# Altium PCB CAMA001AA-PCB.PcbDoc
Units mm, origin at the board's own origin, x right, y up, seen from the top; angles counter-clockwise.
Board outline 60 x 30 mm, 4 copper layers (Top Layer, GND, VCC, Bottom Layer), stack 1.546 mm thick; 50 components, 37 nets, 189 pads, 70 vias.
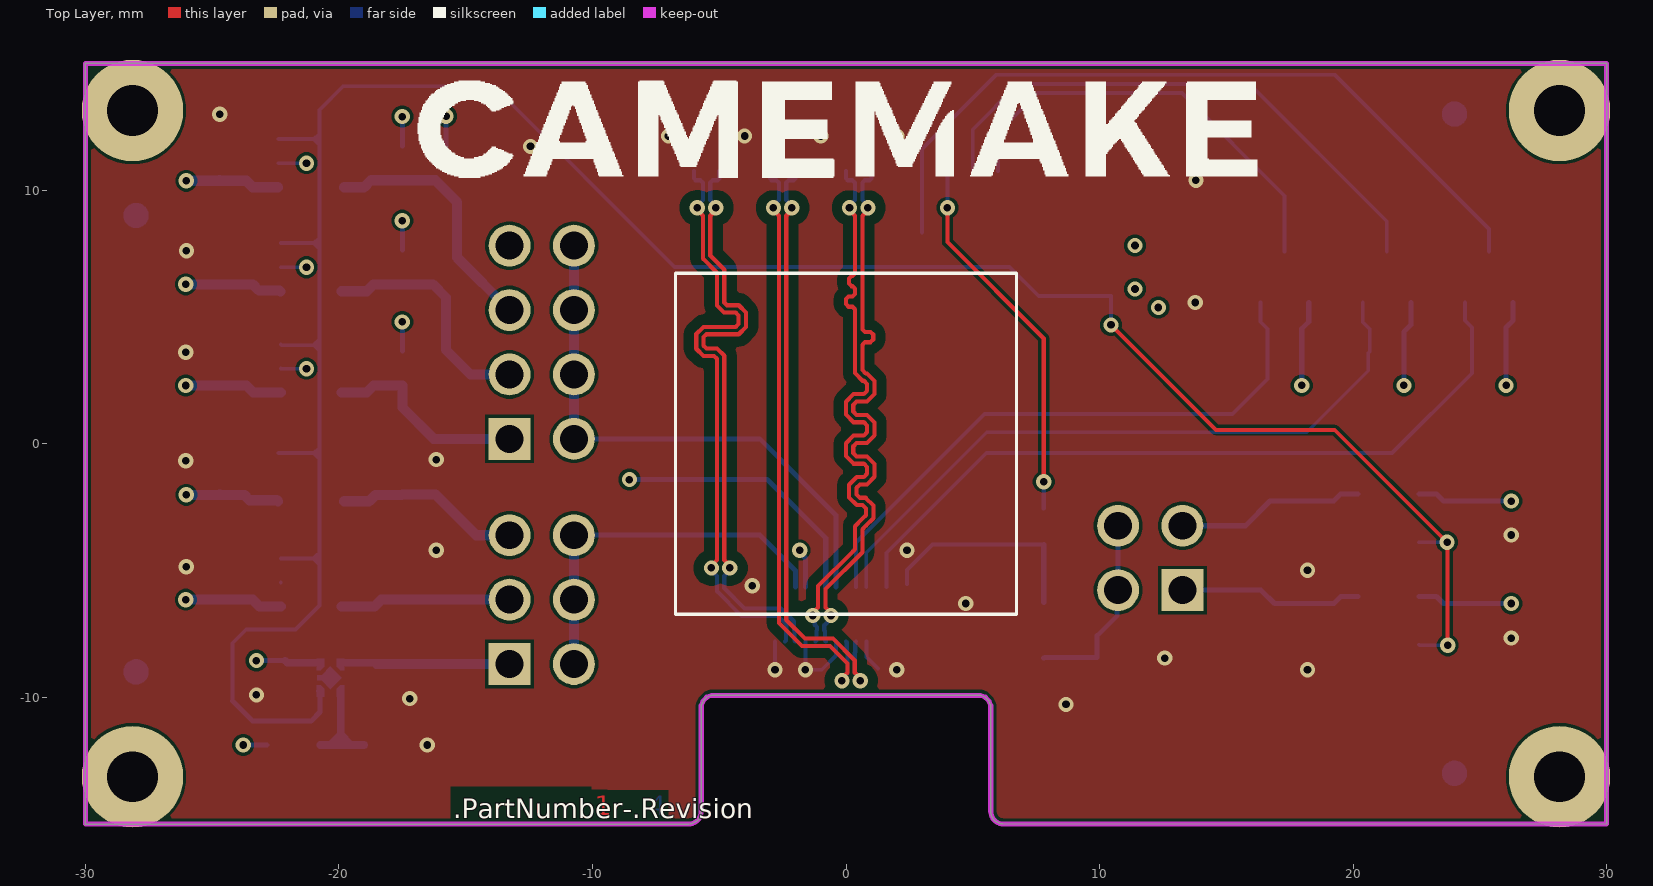
[diagram p0: Top Layer view]
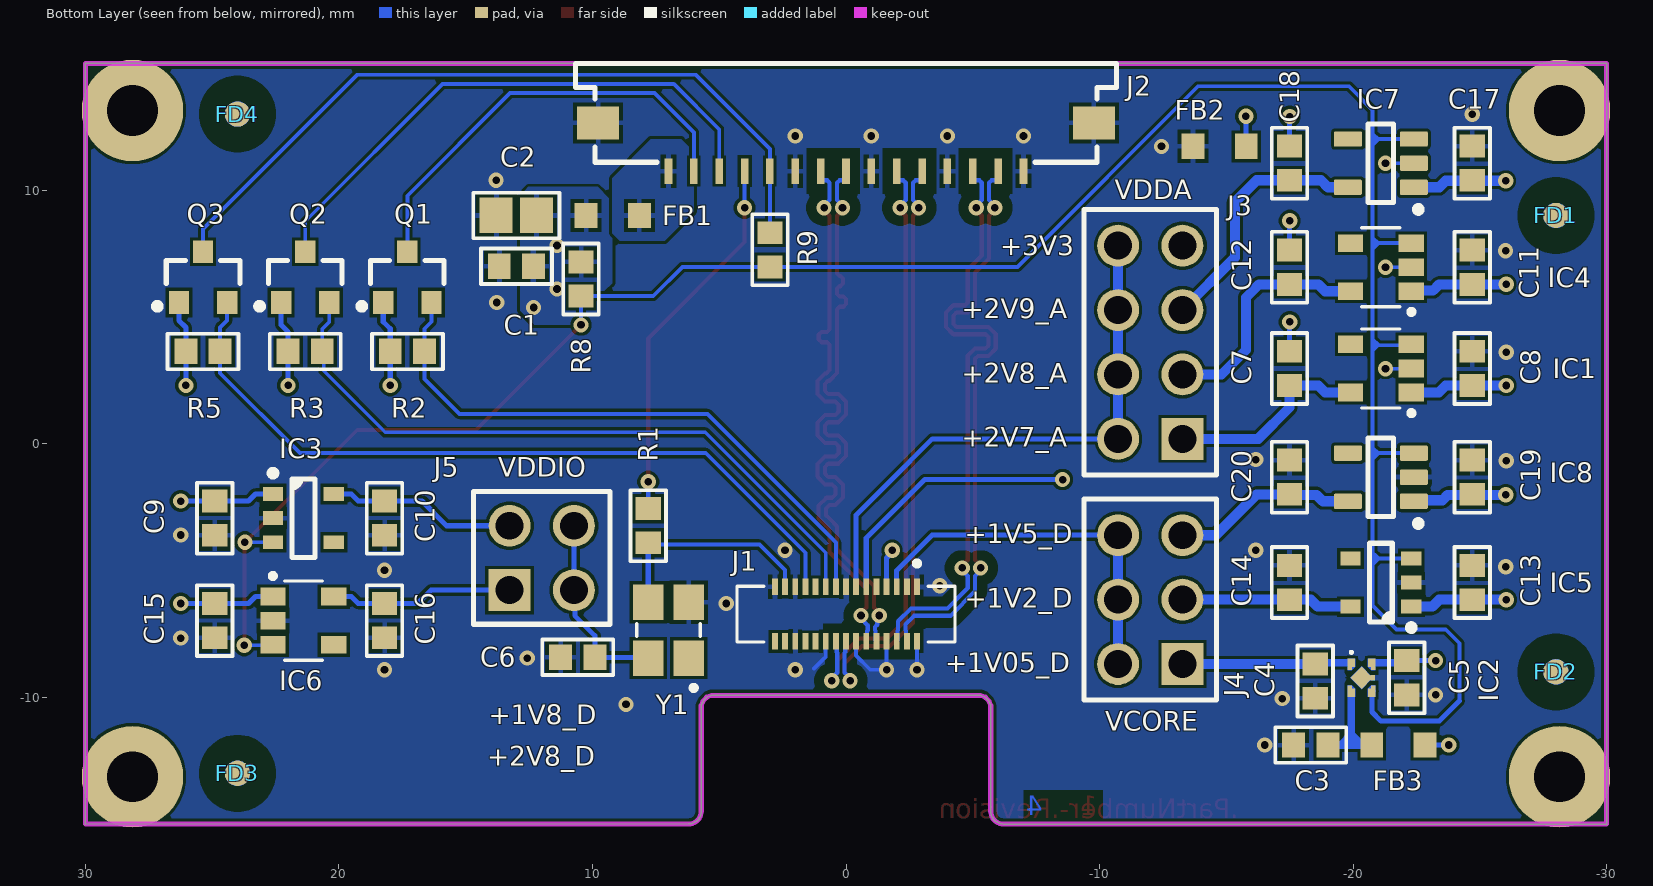
[diagram p1: Bottom Layer view, seen from below]
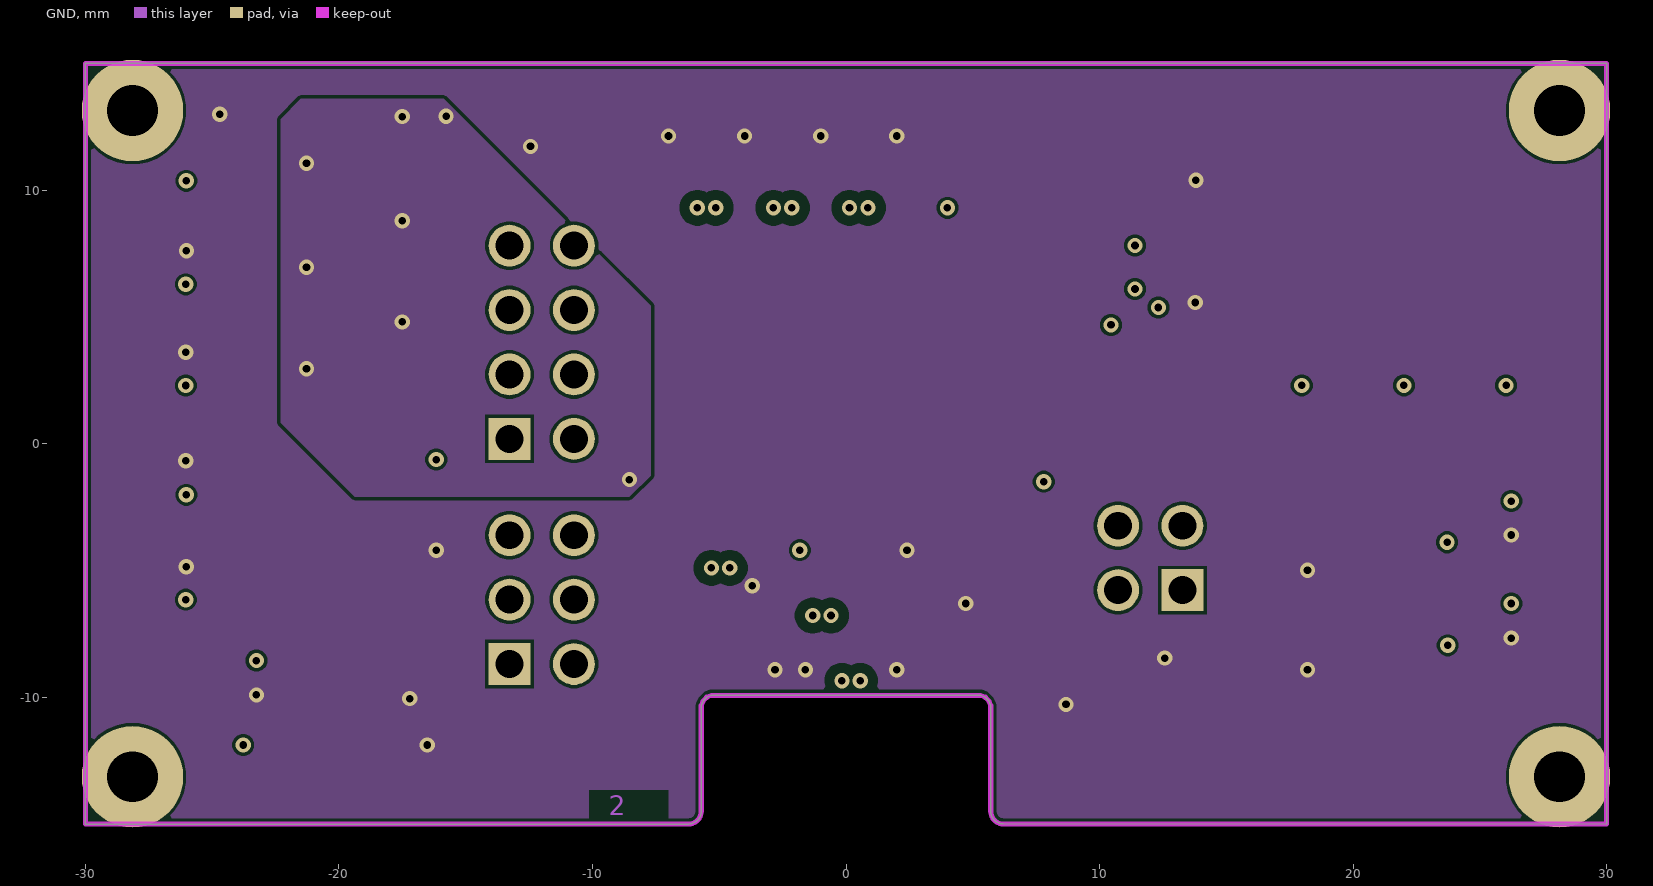
[diagram p2: GND]
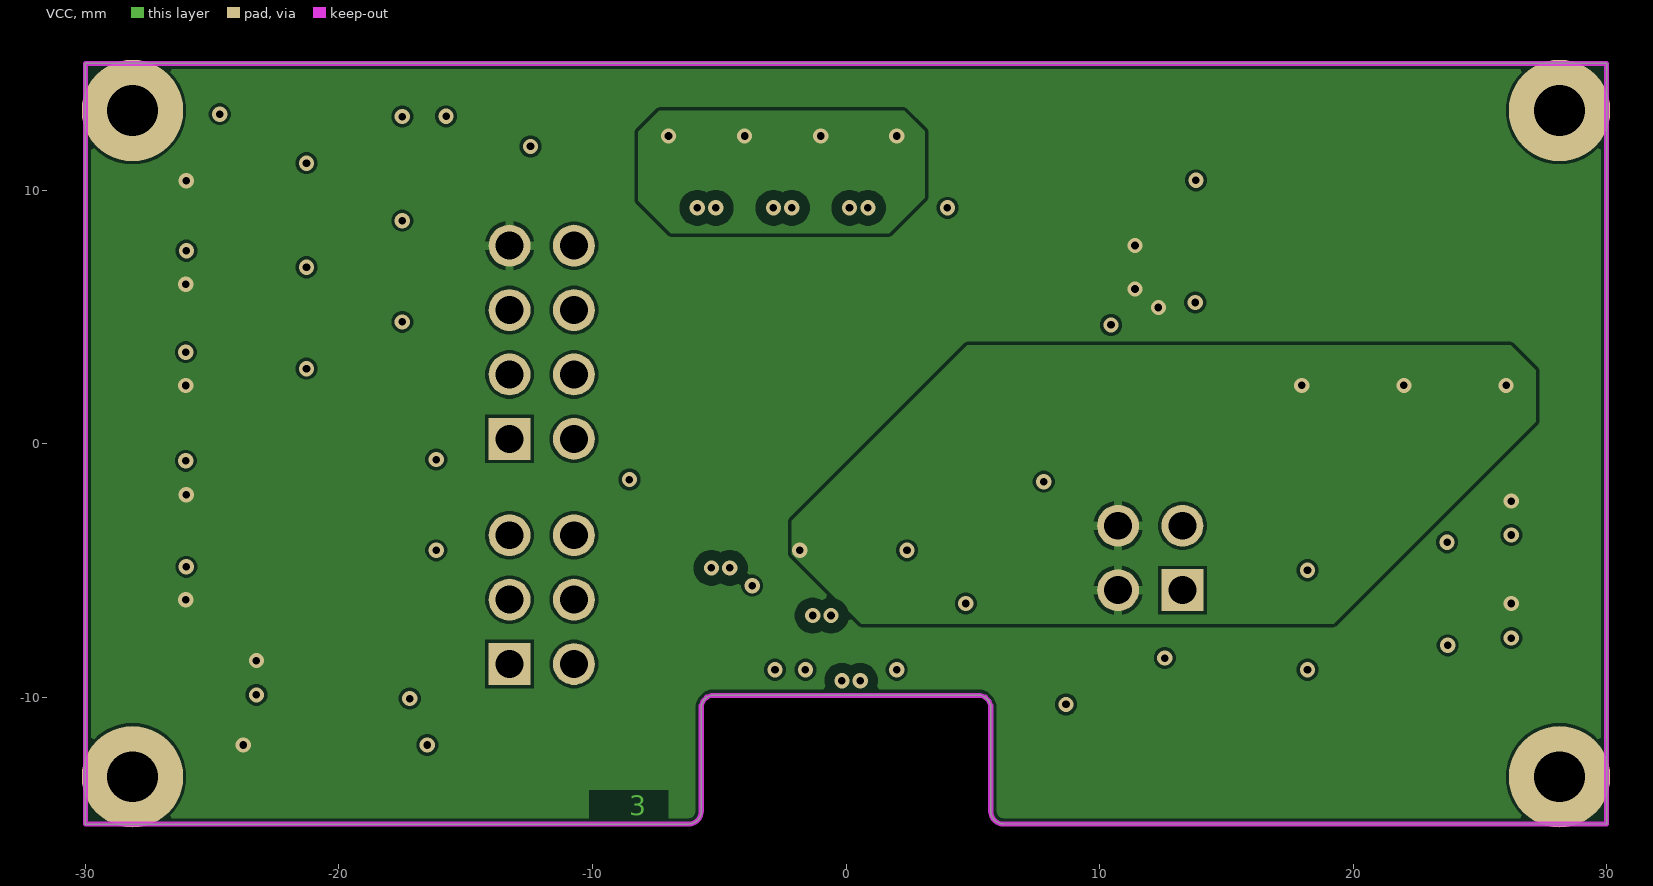
[diagram p3: VCC]
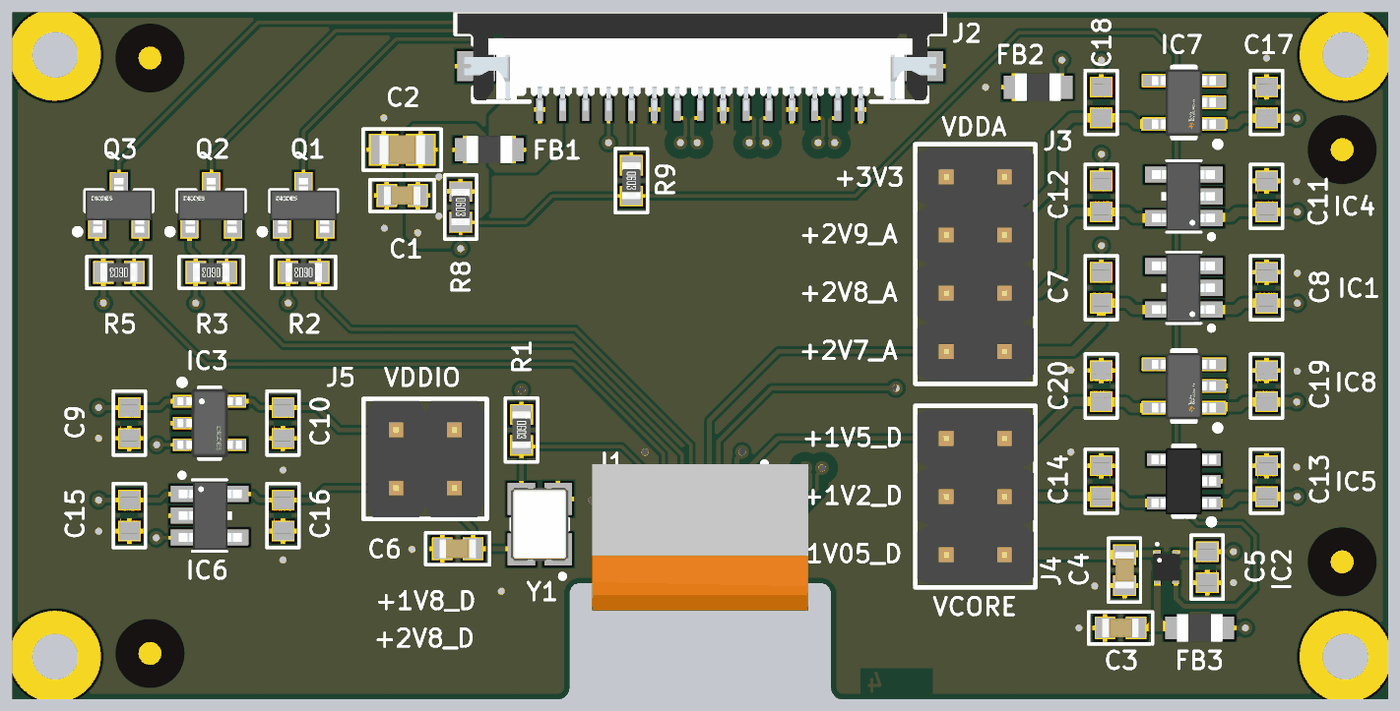
[diagram p4: 3D render of the assembled board from below, using the file's embedded part models]

## Layer stack, top to bottom
Top Solder: solder mask 0.0254, SM-001, Dk 4
Top Layer: signal copper 0.018
Dielectric1: prepreg 0.12, FR-4, Dk 4.3
GND: signal copper 0.035
Dielectric2: core 1.2, FR-4, Dk 4.8
VCC: signal copper 0.035
Dielectric3: prepreg 0.12, FR-4, Dk 4.3
Bottom Layer: signal copper 0.018
Bottom Solder: solder mask 0.0254, SM-001, Dk 4

## Board outline
-30,-15 -6.21,-15 ccw(c-6.21,-14.5) -5.71,-14.5 -5.71,-10.424 -5.71,-10.325 -5.634,-10.141 -5.493,-10 -5.309,-9.924 -5.21,-9.924 5.21,-9.924 5.309,-9.924 5.493,-10 5.634,-10.141 5.71,-10.325 5.71,-10.424 5.71,-14.5 ccw(c6.21,-14.5) 6.21,-15 30,-15 30,15 -30,15

## Design rules (kind name [scope] priority, off if disabled: settings)
Clearance "Schematic Clearance Constraint_1" [InDifferentialPairClass('MIPI-D100')] p1: gap=0.4 ignorepadtopadclearanceinfootprint=FALSE except(0: Arc-Hole Track-Hole SMDPad-Hole THPad-Hole Via-Hole Fill-Hole Poly-Hole Region-Hole Text-Hole; 0.125: Arc-Arc Arc-Track Arc-SMDPad Arc-THPad Arc-Via Track-Track Track-SMDPad Track-THPad Track-Via SMDPad-SMDPad SMDPad-THPad SMDPad-Via THPad-THPad THPad-Via Via-Via)
Clearance [All] p2: gap=0.125 ignorepadtopadclearanceinfootprint=FALSE except(0: Arc-Hole Track-Hole SMDPad-Hole THPad-Hole Via-Hole Fill-Hole Poly-Hole Region-Hole Text-Hole)
ComponentClearance [All] p1 off: gap=0.254 collisioncheckmode=3 verticalgap=0.254 showdistances=FALSE
DiffPairsRouting "Schematic Differential Pairs Routing_1" [InDifferentialPairClass('MIPI-D100')] p1: maxlimit=0.125 minlimit=0.125 mostfreqgap=0.125 toplayer_minwidth=0.164 toplayer_maxwidth=0.164 toplayer_prefwidth=0.164 bottomlayer_minwidth=0.164 bottomlayer_maxwidth=0.164 bottomlayer_prefwidth=0.164 impedanceprofiledriven=TRUE impedanceprofileid={6A05EAB8-E67A-487B-8425-14893B9B7CED} impedanceprofilevalue=100.000000 maxuncoupledlength=12.7
DiffPairsRouting "Schematic Differential Pairs Routing" [InDifferentialPairClass('MIPI-D100')] p2: maxlimit=0.125 minlimit=0.125 mostfreqgap=0.125 toplayer_minwidth=0.164 toplayer_maxwidth=0.164 toplayer_prefwidth=0.164 bottomlayer_minwidth=0.164 bottomlayer_maxwidth=0.164 bottomlayer_prefwidth=0.164 impedanceprofiledriven=TRUE impedanceprofileid={6A05EAB8-E67A-487B-8425-14893B9B7CED} impedanceprofilevalue=100.000000 maxuncoupledlength=12.7
DiffPairsRouting [InNetClass('CamDiff')] p3: maxlimit=0.254 minlimit=0.15 mostfreqgap=0.254 toplayer_maxgap=0.15 toplayer_prefgap=0.15 toplayer_minwidth=0.381 toplayer_maxwidth=0.381 toplayer_prefwidth=0.381 midlayer1_mingap=0.254 midlayer1_minwidth=0.381 midlayer1_maxwidth=0.381 midlayer1_prefwidth=0.381 midlayer2_mingap=0.254 midlayer2_minwidth=0.381 midlayer2_maxwidth=0.381 midlayer2_prefwidth=0.381 bottomlayer_maxgap=0.15 bottomlayer_prefgap=0.15 bottomlayer_minwidth=0.381 bottomlayer_maxwidth=0.381 bottomlayer_prefwidth=0.381 maxuncoupledlength=12.7
Height [All] p1 off: minheight=0 maxheight=25.4 prefheight=12.7
HoleSize [All] p1: absolutevalues=TRUE maxlimit=6.5 minlimit=0.025 maxpercent=80.000 minpercent=20.000
MatchedLengths CamDiffNet [InNetClass('CamDiff')] p1: tolerance=0.2 checknetsindiffpair=TRUE checkdiffpairvsdiffpair=FALSE checkxsignals=FALSE checkothers=FALSE
PolygonConnect [All] p1: thpad.connectstyle=Relief thpad.reliefconductorwidth=0.35 thpad.reliefentries=4 thpad.polygonreliefangle="90 Angle" thpad.airgapwidth=0.15 smdpad.connectstyle=Relief smdpad.reliefconductorwidth=0.2 smdpad.reliefentries=4 smdpad.polygonreliefangle="90 Angle" smdpad.airgapwidth=0.15 via.connectstyle=Direct via.reliefconductorwidth=0.254 via.reliefentries=4 via.polygonreliefangle="90 Angle" via.airgapwidth=0.254
RoutingVias [All] p1: holewidth=0.25 width=0.6 viastyle="Through Hole" minholewidth=0.25 minwidth=0.6 maxholewidth=0.711 maxwidth=1.27
SilkToSolderMaskClearance SilkscreenOverComponentPads [IsPad] p1: minsilkscreentomaskgap=0.254 clearancetoexposedcopper=TRUE
SolderMaskExpansion [All] p1: expansion=0.102 istentingtop=FALSE
Width [All] p1: maxlimit=5 minlimit=0.15 preferedwidth=0.15 minimp=50.000000 maximp=50.000000 favimp=50.000000
25 further rules are at their usual default settings.

## Classes and differential pairs
component class Power: C1 C2 C3 C4 C5 C7 C8 C9 C10 C11 C12 C13 C14 C15 C16 C17 C18 C19 C20 FB1 FB2 FB3 IC1 IC2 IC3 IC4 IC5 IC6 IC7 IC8 R8 R9
component class Camera-V1_0: C6 FD1 FD2 FD3 FD4 J1 J2 J3 J4 J5 Q1 Q2 Q3 R1 R2 R3 R5 Y1
differential pair class MIPI-D100: CLK D0 D1 DATA1 DATA2
differential pair D1: +D1_P -D1_N
differential pair D0: +D0_P -D0_N
differential pair CLK: +CLK_P -CLK_N

## Components (designator, comment, footprint, x,y, rotation, side; value= is the part's Value field where it differs from the comment)
C1 "CL10B104KB8NNNL" "Esmart C0603" 13,6.996 r180 bottom
C2 "CL21A106KOQNNWE" "ESmart C0805" 13,9 r180 bottom
C3 "CL10B104KB8NNNL" "Esmart C0603" -18.331,-11.886 r0 bottom
C4 "LMK107B7225KA-TR" "ESMART C0603" -18.506,-9.365 r270 bottom
C5 "CL10A105KB8NNNC" "ESmart C0603 - Samsung" -22.112,-9.232 r270 bottom
C6 "CL10B104KB8NNNL" "Esmart C0603" 10.579,-8.425 r180 bottom
C7 "CL10A105KB8NNNC" "ESmart C0603 - Samsung" -17.491,2.968 r90 bottom
C8 "CL10A105KB8NNNC" "ESmart C0603 - Samsung" -24.7,2.968 r90 bottom
C9 "CL10A105KB8NNNC" "ESmart C0603 - Samsung" 24.9,-2.939 r270 bottom
C10 "CL10A105KB8NNNC" "ESmart C0603 - Samsung" 18.2,-2.939 r270 bottom
C11 "CL10A105KB8NNNC" "ESmart C0603 - Samsung" -24.7,6.959 r90 bottom
C12 "CL10A105KB8NNNC" "ESmart C0603 - Samsung" -17.491,6.959 r90 bottom
C13 "CL10A105KB8NNNC" "ESmart C0603 - Samsung" -24.7,-5.478 r90 bottom
C14 "CL10A105KB8NNNC" "ESmart C0603 - Samsung" -17.491,-5.478 r90 bottom
C15 "CL10A105KB8NNNC" "ESmart C0603 - Samsung" 24.9,-6.98 r270 bottom
C16 "CL10A105KB8NNNC" "ESmart C0603 - Samsung" 18.2,-6.98 r270 bottom
C17 "CL10A105KB8NNNC" "ESmart C0603 - Samsung" -24.7,11.063 r90 bottom
C18 "CL10A105KB8NNNC" "ESmart C0603 - Samsung" -17.491,11.063 r90 bottom
C19 "CL10A105KB8NNNC" "ESmart C0603 - Samsung" -24.7,-1.323 r90 bottom
C20 "CL10A105KB8NNNC" "ESmart C0603 - Samsung" -17.491,-1.323 r90 bottom
FB1 "742792035" "Wurth WE-CBF_0805_High Speed" 9.2,9 r180 bottom
FB2 "742792035" "Wurth WE-CBF_0805_High Speed" -14.737,11.726 r180 bottom
FB3 "742792035" "Wurth WE-CBF_0805_High Speed" -21.785,-11.886 r0 bottom
FD1 "Fiducial" "Fiducial 1" -28,9 r180 bottom
FD2 "Fiducial" "Fiducial 1" -28,-9 r180 bottom
FD3 "Fiducial" "Fiducial 1" 24,-13 r180 bottom
FD4 "Fiducial" "Fiducial 1" 24,13 r180 bottom
IC1 "NCV8163ASN270T1G" "ON Semi TSOP-5 / CASE 483 / ISSUE M" -21.095,2.968 r0 bottom
IC2 "TCR8BM105,L3F" "Toshiba DFN5B" -20.333,-9.232 r270 bottom
IC3 "AP2112K-1.8TRG1" "DIODES SOT-25" 21.4,-2.939 r180 bottom
IC4 "NCV8163ASN280T1G" "ON Semi TSOP-5 / CASE 483 / ISSUE M" -21.095,6.959 r0 bottom
IC5 "AP2112K-1.2TRG1" "DIODES SOT-23-5 W5" -21.095,-5.478 r0 bottom
IC6 "NCV8163ASN280T1G" "ON Semi TSOP-5 / CASE 483 / ISSUE M" 21.4,-6.98 r180 bottom
IC7 "LP5907MFX-2.9/NOPB" "TI SOT-23-5 / DBV0005A" -21.095,11.063 r0 bottom
IC8 "TLV75515PDBVR" "TI SOT-23-5 / DBV0005A" -21.095,-1.323 r0 bottom
J1 "245804030000829+" "AVX 245804030000829+ - IMX477 - Reverse" 0,0 r0 top locked
J2 "686115183522" "WURTH 686115183522" 0,13.05 r0 bottom locked
J3 "61300821121" "Wurth 61300821121" -12,4 r90 bottom
J4 "61300621121" "Wurth 61300621121" -12,-6.15 r90 bottom
J5 "61300421121" "Wurth 61300421121" 12,-4.506 r180 bottom
Q1 "DMN62D0U-13" "Diodes SOT23 MOSFET" 17.3,6.568 r90 bottom
Q2 "DMN62D0U-13" "Diodes SOT23 MOSFET" 21.329,6.568 r90 bottom
Q3 "DMN62D0U-13" "Diodes SOT23 MOSFET" 25.359,6.568 r90 bottom
R1 "RMCF0603JT22R0" "ESmart R0603" 7.796,-3.236 r270 bottom
R2 "RMCF0603FT2K20" "ESmart R0603" 17.3,3.639 r0 bottom
R3 "RMCF0603FT2K20" "ESmart R0603" 21.329,3.639 r0 bottom
R5 "RMCF0603FT2K20" "ESmart R0603" 25.359,3.639 r0 bottom
R8 "RMCF0603FT10K0" "ESmart R0603" 10.45,6.496 r270 bottom
R9 "RMCF0603ZT0R00" "ESmart R0603" 3,7.646 r270 bottom
Y1 "ECS-3225MV-240-BN-TR" "ECS ECS-3225MV" 7,-7.356 r90 bottom

## Footprints (in the part's own frame and the unit in brackets; to place one, negate y for a bottom-side part, rotate by r counter-clockwise, add the part's x,y. Pads: shape width x height; smd on the part's side, far side on the other; paste and mask are expansions set on the pad)
"AVX 245804030000829+ - IMX477 - Reverse" [mm]
  rect 0.23x0.65 smd far side: 1(-2.8,-5.65) 2(-2.4,-5.65) 3(-2,-5.65) 4(-1.6,-5.65) 5(-1.2,-5.65) 6(-0.8,-5.65) 7(-0.4,-5.65) 8(0,-5.65) 9(0.4,-5.65) 10(0.8,-5.65) 11(1.2,-5.65) 12(1.6,-5.65) 13(2,-5.65) 14(2.4,-5.65) 15(2.8,-5.65) 16(2.8,-7.8) 17(2.4,-7.8) 18(2,-7.8) 19(1.6,-7.8) 20(1.2,-7.8) 21(0.8,-7.8) 22(0.4,-7.8) 23(0,-7.8) 24(-0.4,-7.8) 25(-0.8,-7.8) 26(-1.2,-7.8) 27(-1.6,-7.8) 28(-2,-7.8) 29(-2.4,-7.8) 30(-2.8,-7.8)
  silkscreen extent -6.73,-6.73 6.73,6.73, body extent -8.7,-11.12 8.7,8.7, height 15.17
"Diodes SOT23 MOSFET" [mm]
  rect 0.9x0.8 smd paste-0.05 mask+0.102: D(1,0) G(-1,0.95) S(-1,-0.95)
  silkscreen extent -1.27,-1.45 0.65,1.93, body extent -1.2,-1.45 1.2,1.45, height 1.1
"DIODES SOT-23-5 W5" [mm] "SOT23, 5-Leads, Body 3.00x2.85mm, Pitch 0.95mm, IPC Medium Density"
  rect 0.8x0.55 smd: 1(-1.2,0.95) 2(-1.2,0) 3(-1.2,-0.95) 4(1.2,-0.95) 5(1.2,0.95)
  silkscreen extent -1.32,-1.55 0.45,1.9, body extent -1.41,-1.45 1.41,1.45, height 1.5
"DIODES SOT-25" [mm]
  rect 0.8x0.55 smd paste-0.05: 1(-1.2,0.95) 2(-1.2,0) 3(-1.2,-0.95) 4(1.2,-0.95) 5(1.2,0.95)
  silkscreen extent -1.33,-1.55 0.45,1.9, body extent -1.4,-1.5 1.4,1.5, height 1.45
"ECS ECS-3225MV" [mm]
  rect 1.4x1.2 smd: 1(-1.1,-0.8) 2(1.1,-0.8) 3(1.1,0.8) 4(-1.1,0.8)
  silkscreen extent -2.37,-1.25 0.25,1.25, body extent -1.6,-1.25 1.6,1.25, height 1.2
"Esmart C0603" [mm] "Chip Capacitor, 2-Leads, Body 1.60x0.80mm, IPC Medium Density"
  rect 0.9x1 smd paste-0.05 mask+0.1: 1(-0.675,0) 2(0.675,0)
  silkscreen extent -1.4,-0.7 1.4,0.7, body extent -0.8,-0.41 0.8,0.41, height 0.82
"ESMART C0603" [mm] "Chip Capacitor, 2-Leads, Body 1.60x0.80mm, IPC Medium Density"
  rect 0.9x1 smd paste-0.05 mask+0.1: 1(-0.675,0) 2(0.675,0)
  silkscreen extent -1.4,-0.7 1.4,0.7, body extent -0.8,-0.41 0.8,0.41, height 0.82
"ESmart C0603 - Samsung" [mm] "Chip Capacitor, 2-Leads, Body 1.60x0.80mm, IPC Medium Density"
  rect 0.9x1 smd paste-0.05 mask+0.1: 1(-0.675,0) 2(0.675,0)
  silkscreen extent -1.4,-0.7 1.4,0.7, body extent -0.8,-0.4 0.8,0.4, height 0.9
"ESmart C0805" [mm] "Chip Capacitor, 2-Leads, Body 2.00x1.20mm, IPC Medium Density"
  rect 1.3x1.4 smd paste-0.07: 1(-0.8,0) 2(0.8,0)
  silkscreen extent -1.7,-0.9 1.7,0.9, body extent -1,-0.64 1,0.64, height 1.26
"ESmart R0603" [mm] "Chip Capacitor, 2-Leads, Body 1.60x0.80mm, IPC Medium Density"
  rect 0.9x1 smd paste-0.05 mask+0.1: 1(-0.675,0) 2(0.675,0)
  silkscreen extent -1.4,-0.7 1.4,0.7, body extent -0.8,-0.4 0.8,0.4, height 0.45
"Fiducial 1" [mm]
  round 1 smd paste-1 mask+1: 1(0,0)
  Top Layer circle w0.5: c0,0 r0.25
  Top Layer pour cut-out: 1.51,0 1.395,0.578 1.068,1.068 0.578,1.395 0,1.51 0,1.51 -0.578,1.395 -1.068,1.068 -1.395,0.578 -1.51,0 -1.51,0 -1.395,-0.578 -1.068,-1.068 -0.578,-1.395 0,-1.51 0,-1.51 0.578,-1.395 1.068,-1.068 1.395,-0.578 1.51,0
"ON Semi TSOP-5 / CASE 483 / ISSUE M" [mm]
  rect 1x0.7 smd: 1(-1.2,0.95) 2(-1.2,0) 3(-1.2,-0.95) 4(1.2,-0.95) 5(1.2,0.95)
  silkscreen extent -1.3,-1.56 0.75,1.86, body extent -1.34,-1.5 1.41,1.5, height 1.1
"TI SOT-23-5 / DBV0005A" [mm] "SOT23, 5-Leads, Body 3.05x1.75mm, Pitch 0.95mm, IPC Low Density"
  rrect15% 1.1x0.6 smd paste-0.05 mask+0.07: 1(-1.3,0.95) 2(-1.3,0) 3(-1.3,-0.95) 4(1.3,-0.95) 5(1.3,0.95)
  silkscreen extent -1.6,-1.55 0.5,1.95, body extent -1.4,-1.45 1.4,1.45, height 1.45
"Toshiba DFN5B" [mm]
  rect 0.323x0.3 smd paste-1 mask+0: 1(-0.589,-0.4) 2(0.588,-0.4) 3(0.588,0.4) 4(-0.589,0.4)
  rect 0.45x0.173 smd paste-1 mask+0: 1(-0.525,-0.464) 2(0.525,-0.464) 3(0.525,0.464) 4(-0.525,0.464)
  rect 0.2x0.18 smd paste-1 mask+0: 5(0,0.435)
  rect 0.63x0.63 smd rot 45 paste-1 mask+0: 5(0,0)
  Top Layer region: -0.3,0.55 -0.75,0.55 -0.75,0.25 -0.428,0.25 -0.3,0.377
  Top Layer region: -0.3,-0.55 -0.75,-0.55 -0.75,-0.25 -0.428,-0.25 -0.3,-0.377
  Top Layer region: 0.3,-0.55 0.75,-0.55 0.75,-0.25 0.427,-0.25 0.3,-0.377
  Top Layer region: 0.3,0.55 0.75,0.55 0.75,0.25 0.427,0.25 0.3,0.377